# Altium PCB RTD_12POS_WPSv3.PcbDoc (part 4 of 4) (continued)
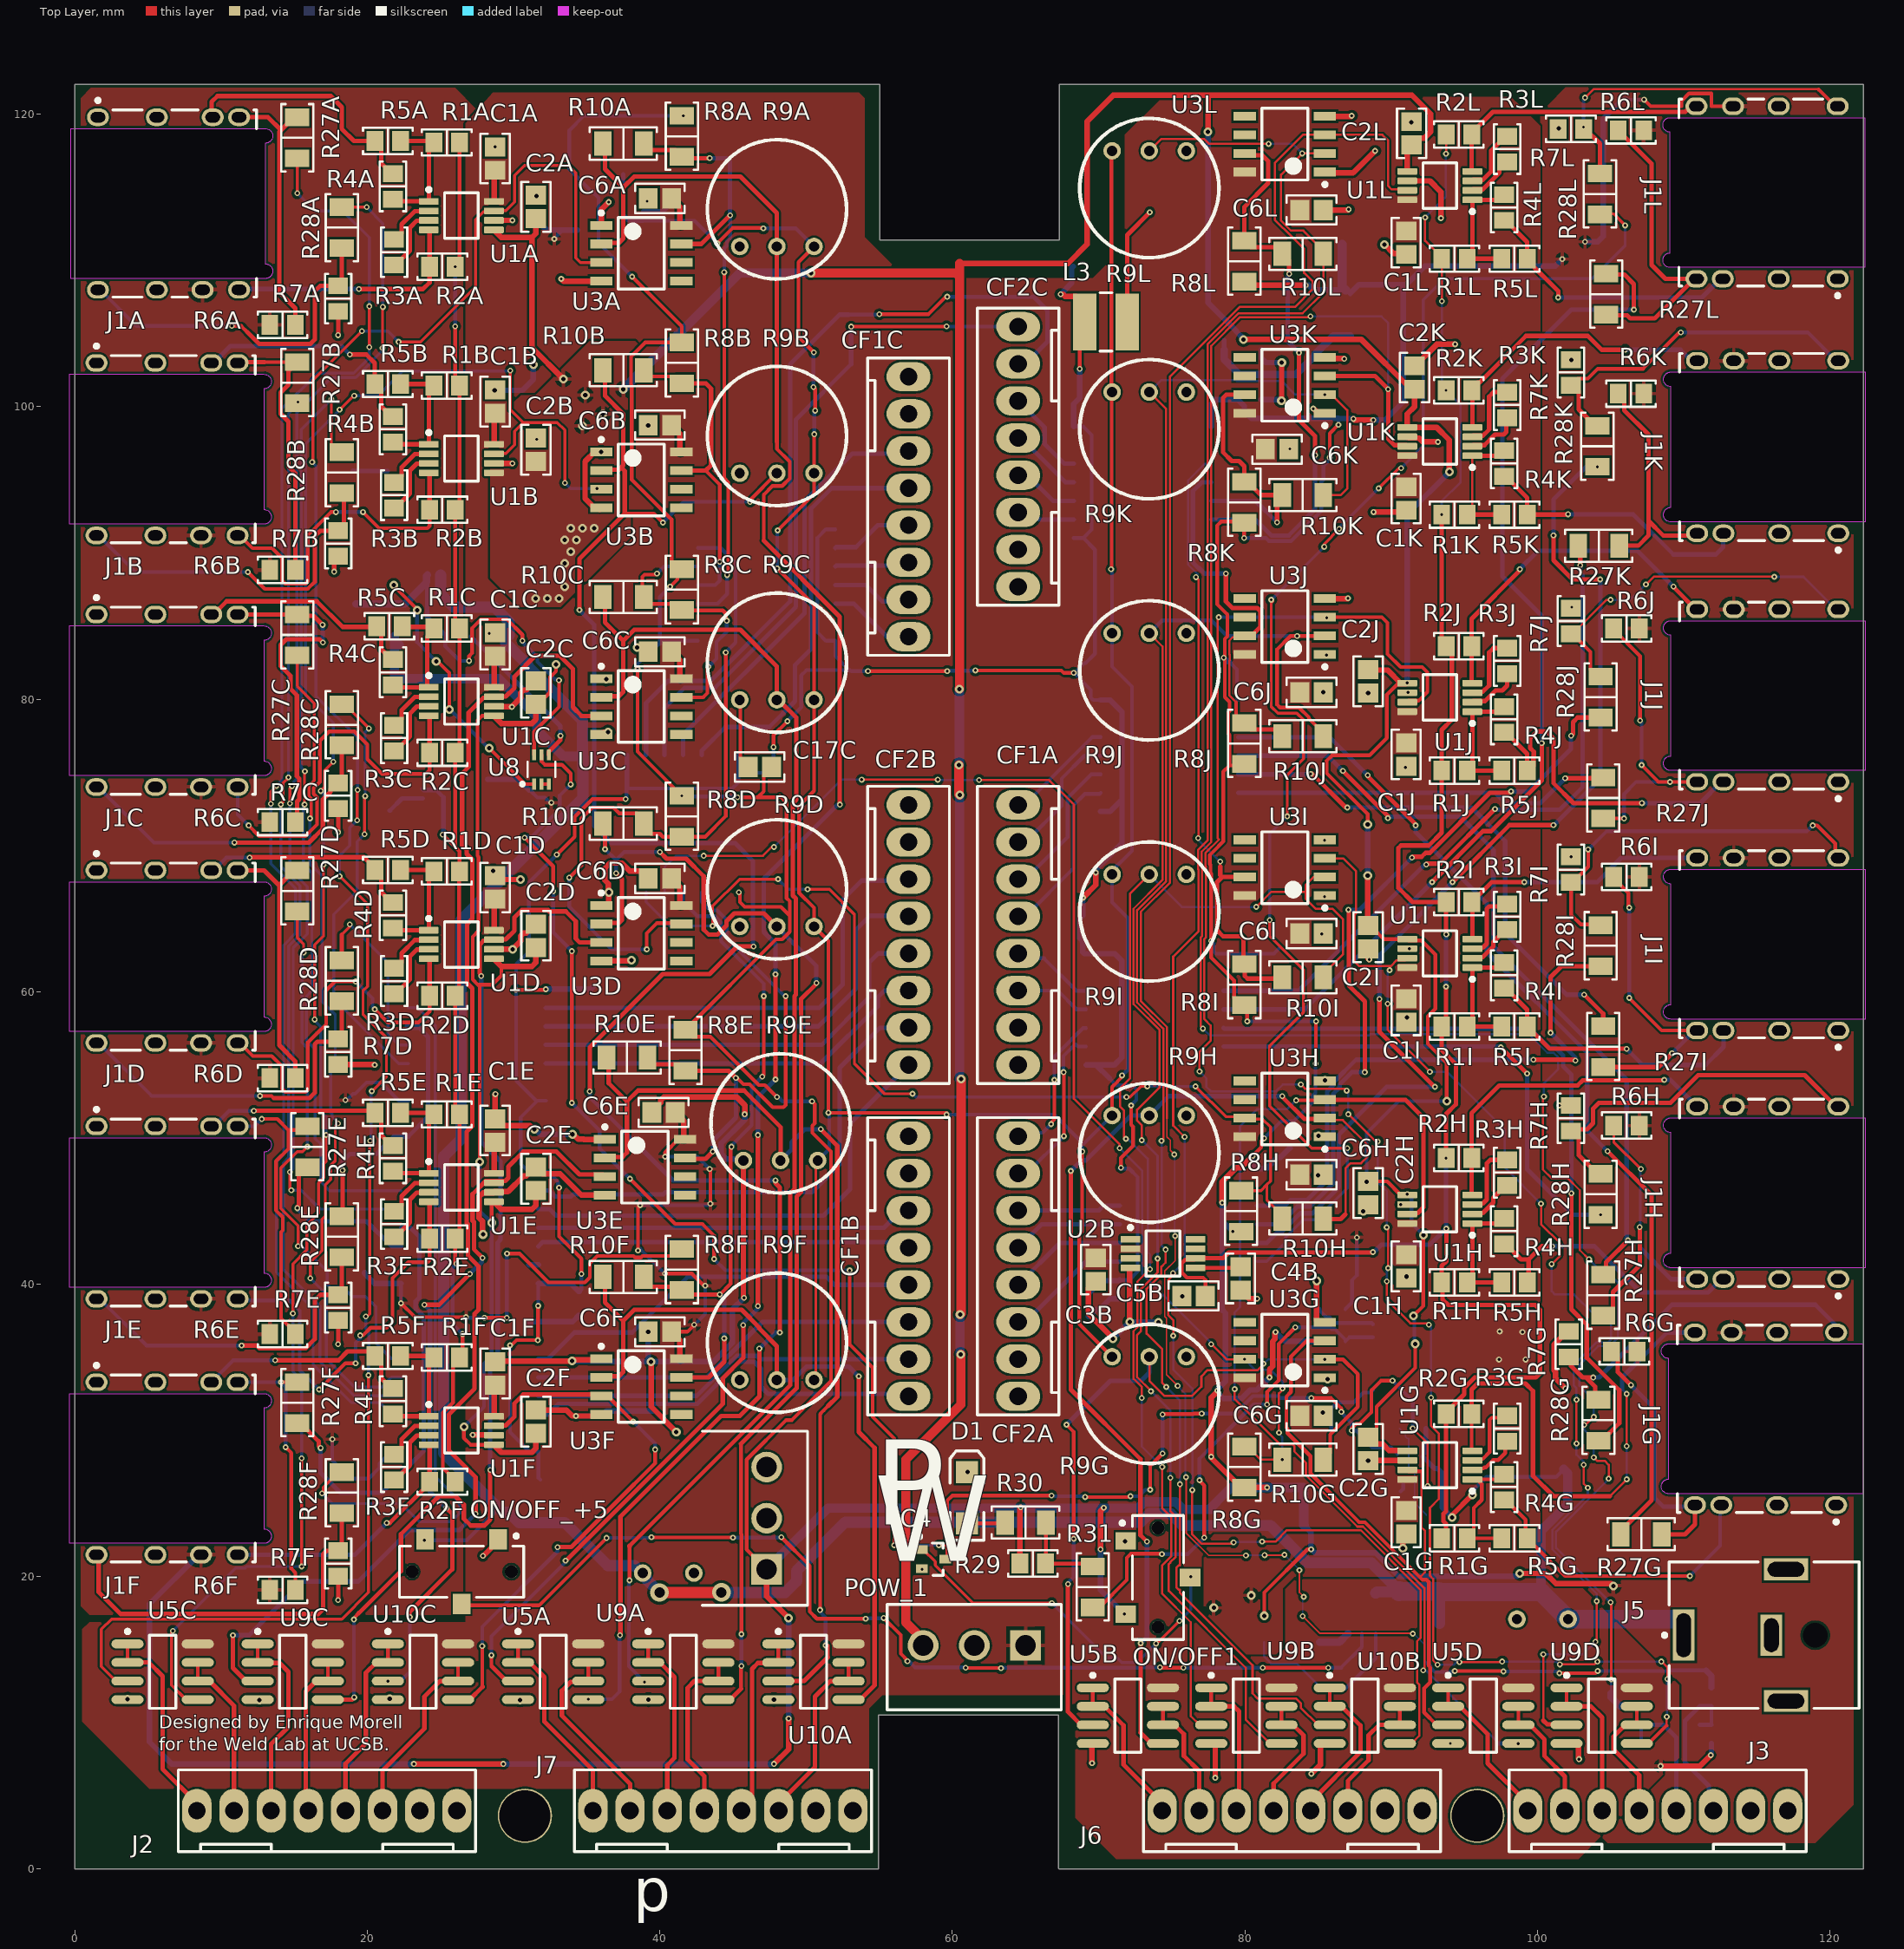
[diagram p0: Top Layer view]
## Nets (pads, with @x,y where several pads share a name; then routed paths per layer and width w, separated by ;. In a path a pad name is that pad's centre, name@x,y a point inside that pad or via, vN(x,y) a via of type N, cw(c..) or ccw(c..) an arc to the next point about the centre after c; other vN are vias at no path point) (continued)
  Bottom Layer w0.305: v1(23.9,38.6) 24.284,38.216 24.284,25.816 v1(25.4,24.7) ; v1(27,40.7) 27.821,41.521 27.821,41.747 v1(27.878,41.803)
Vrtd6: U1F.7 U3F.3 U10C.5 | length 37.9
  Top Layer w0.254: v1(27.85,15.25) 27.85,12.49 27.873,12.468 ; U3F.3@35.987,32.365 36.41,32.365 v1(38.177,30.598) ; 38.2,26.286 39.675,27.761 v1(39.675,28.7)
  Top Layer w0.305: U10C.5@26.2,11.595 27,11.595 27.873,12.468 ; U1F.7@28.65,30.325 28.669,30.344 29.464,30.344 30.06,30.94 30.06,31.86 30.657,32.456 U3F.3@35.987,32.456 ; v1(33,22.025) 33.939,22.025 38.2,26.286
  Bottom Layer w0.254: v1(27.85,15.25) 27.85,16.575 33,21.725 v1(33,22.025) ; v1(38.177,30.598) 39.675,29.1 v1(39.675,28.7)
Vrtd7: U1G.7 U3G.3 U5D.3 | length 42.4
  Top Layer w0.15: 92,19.934 92,20 92.3,20.3 92.3,23.149 92.075,23.374 92.075,27.2
  Top Layer w0.254: U3G.3@85.473,36.135 84.234,36.135 83.152,35.053 83.152,32.636 82.833,32.317 82.833,30.185 82.907,30.111 82.907,29.823 84.483,28.247 84.483,27.06 87.814,23.729 88.205,23.729 92,19.934 92.148,19.786 92.432,19.786 92.573,19.645 92.573,13.902 92.677,13.799 92.677,12.798 92.25,12.371 92.25,10.715 93.1,9.865 U5D.3@93.9,9.865 ; U1G.7@91.105,27.305 91.203,27.207 92.068,27.207 92.075,27.2
Vrtd8: U1H.7 U3H.3 U5D.5 | length 73.3
  Top Layer w0.15: v1(79.305,32.828) 79.305,32.135 82.391,29.05 83.253,29.05 83.385,28.918 83.385,28.565 84.173,27.777 84.173,26.943 87.689,23.427 88.073,23.427 92.271,19.229 92.271,13.671 v1(92.2,13.6)
  Top Layer w0.254: v1(83.5,52.575) 85.421,52.575 U3H.3@85.473,52.627
  Top Layer w0.305: U3H.3@85.473,52.627 85.5,52.6 91,52.6 92.2,51.4 92.2,45.25 91.826,44.877 91.178,44.877 U1H.7@91.105,44.804
  Bottom Layer w0.15: v1(79.305,32.828) 79.305,38.075 79.665,38.435 79.665,50.79 80.85,51.975 82.9,51.975 v1(83.5,52.575) ; v1(92.2,13.6) 92.358,13.6 97.363,8.595
  Bottom Layer w0.305: 97.363,8.595 v1(98.7,8.595)
Vrtd9: U1I.7 U3I.3 U9D.3 | length 82.2
  Top Layer w0.15: U3I.3@85.473,69.119 86.731,69.119 87.606,68.244 87.606,65.372 87.505,65.271 87.505,62.07 87.825,61.75 89.975,61.75 ; v1(89.756,59.179) 89.756,57.419 v1(92.65,54.525) ; v1(89.9,61.475) 89.929,61.504 89.929,61.704 89.975,61.75 ; U1I.7@91.105,62.303 90.955,62.153 90.378,62.153 89.975,61.75 ; v1(100.25,45.5) 100.25,44.105 101.575,42.78 101.575,41.975 v1(100.975,41.375) ; 100.4,10.175 v1(100.4,14.7) ; U9D.3@101.965,9.9 U9D.3@102,9.865 ; v1(102.675,29.1) 102.65,29.125 102.65,32.078 v1(102.675,32.103) ; v1(103.175,27.65) 103.175,26.35 v1(103.45,26.075) ; v1(103.975,15.55) 103.975,15.591 104.05,15.666 v1(104.05,18.325)
  Top Layer w0.305: 100.4,10.175 100.675,9.9 U9D.3@101.965,9.9
  Bottom Layer w0.15: v1(89.756,59.179) 89.756,61.331 v1(89.9,61.475) ; v1(92.65,54.525) 93.8,54.525 97.775,50.55 97.775,47.975 v1(100.25,45.5) ; v1(100.4,14.7) 103.125,14.7 v1(103.975,15.55) ; v1(100.975,41.375) 100.975,39.525 101.2,39.3 102.5,39.3 103.825,37.975 104.743,37.975 105.025,37.693 105.025,36.207 104.843,36.025 104.046,36.025 102.477,34.456 102.477,33.094 102.675,32.897 v1(102.675,32.103) ; v1(102.675,29.1) 102.675,28.343 103.175,27.843 v1(103.175,27.65) ; v1(103.45,26.075) 103.45,25.604 101.025,23.179 101.025,21.871 104.05,18.846 v1(104.05,18.325)
Vrtd10: U1J.7 U3J.3 U9D.5 | length 129.5
  Top Layer w0.15: v1(76.9,54.55) 76.9,55.9 77.655,56.655 77.655,57.697 77.225,58.127 77.225,63.605 77.325,63.705 77.325,68.573 77.296,68.602 77.296,69.484 78.225,70.413 78.125,70.513 78.125,85.525 v1(78.213,85.612) ; v1(83.823,53.662) 84.114,53.372 86.828,53.372 v1(86.964,53.236) ; v1(87.075,51.625) 88.938,49.762 v1(89.088,49.762) ; v1(89.696,43.891) 89.8,43.786 v1(89.8,41.1) ; v1(89.7,40.2) 89.7,38.933 91.308,37.325 92.475,37.325 v1(92.575,37.225) ; v1(92.725,32.25) 92.725,30.325 93.25,29.8 93.25,25.31 92.655,24.715 92.655,20.07 92.875,19.85 92.875,14.275 v1(93.175,13.975) ; v1(94.67,14.158) 97.558,14.158 v1(97.6,14.2) ; v1(101.531,14.002) 103.902,14.002 v1(104.1,14.2) ; v1(108.48,14.2) 108.9,13.78 v1(108.9,13) ; 108.825,9.82 108.825,10.4 v1(108.85,10.425)
  Top Layer w0.254: v1(85.6,85.575) 85.564,85.611 89.364,85.611 89.75,85.225 89.75,83.1 90.65,82.2 92.125,82.2 92.475,81.85 92.475,80.5 91.875,79.9 91.203,79.9 U1J.7@91.105,79.802 ; U9D.5@106.8,8.595 107.6,8.595 108.825,9.82
  Bottom Layer w0.15: v1(76.9,54.55) 77.365,54.085 77.365,53.498 77.673,53.19 82.128,53.19 82.6,53.662 v1(83.823,53.662) ; v1(86.964,53.236) 87.075,53.125 v1(87.075,51.625) ; v1(89.088,49.762) 89.088,46.979 89.696,46.372 v1(89.696,43.891) ; v1(89.7,40.2) 89.7,41 v1(89.8,41.1) ; v1(92.575,37.225) 92.725,37.075 v1(92.725,32.25) ; v1(93.175,13.975) 94.275,13.975 94.458,14.158 v1(94.67,14.158) ; v1(97.6,14.2) 101.279,14.2 101.477,14.002 v1(101.531,14.002) ; v1(104.1,14.2) v1(108.48,14.2) ; v1(108.85,10.425) 108.875,10.45 108.875,12.975 v1(108.9,13)
  Bottom Layer w0.254: v1(78.213,85.612) 85.563,85.612 v1(85.6,85.575)
Vrtd11: U1K.7 U3K.3 U10D.3 | length 155.4
  Top Layer w0.15: v1(77.13,57.479) 76.975,57.634 76.975,63.709 77.075,63.809 77.075,68.469 77.046,68.498 77.046,69.587 77.7,70.241 77.7,104.168 79.667,106.135 84.435,106.135 v1(84.481,106.182) ; v1(100.45,52.825) 100.375,52.75 100.375,47.85 100.975,47.25 102.075,47.25 102.9,46.425 102.9,42.335 v1(103.531,41.703) ; v1(103.2,30.375) 103.275,30.375 103.826,30.926 v1(103.859,30.926) ; v1(103.858,28.151) 104.084,27.925 104.6,27.925 104.875,27.65 v1(104.875,26.7) ; v1(105,18.25) 105.05,18.2 v1(105.05,12.975)
  Top Layer w0.305: U3K.3@85.473,102.103 88.897,102.103 v1(89.8,101.2) 89.8,97.8 90.226,97.374 91.032,97.374 U1K.7@91.105,97.301
  Bottom Layer w0.15: v1(77.13,57.479) 77.609,57 88.486,57 88.587,57.101 99.401,57.101 100.677,55.825 101.117,55.825 101.425,55.517 101.425,54.72 100.45,53.745 v1(100.45,52.825) ; v1(84.481,106.182) 89.343,106.182 89.8,105.725 v1(89.8,101.2) ; v1(103.2,30.375) 103.2,30.05 103.858,29.392 v1(103.858,28.151) ; v1(103.531,41.703) 104.192,41.043 104.575,41.043 105.5,40.118 105.5,36.328 104.947,35.775 104.15,35.775 102.875,34.5 102.875,33.05 103.859,32.066 v1(103.859,30.926) ; v1(104.875,26.7) 104.875,26.675 101.275,23.075 101.275,21.975 v1(105,18.25) ; 105.05,12.025 v1(105.05,12.975)
  Bottom Layer w0.508: 105.05,12.025 105.05,11.75 105.647,11.153 107.082,11.153 U10D.3@107.1,11.135
Vrtd12: U1L.7 U3L.3 U10D.5 | length 160.4
  Top Layer w0.105: 74.668,51.357 74.668,50.08 74.9,49.849 74.9,49.15 v1(75.175,48.875) ; v1(75.225,43.3) 75.225,41.609 74.52,40.904 74.52,37.799 74.635,37.684 74.635,33.815 v1(75.4,33.05) ; v1(75.98,26.809) 75.98,22.997 77.527,21.45 v1(80.075,21.45) ; v1(81.35,21.475) 82.675,21.475 v1(82.7,21.5) ; v1(83.725,20.454) 83.725,18.925 v1(84.025,18.625) ; v1(83.95,17.3) 85.125,16.125 91.315,16.125 91.338,16.102 v1(91.481,16.102)
  Top Layer w0.15: 74.668,51.357 74.668,57.587 72.885,59.37 72.885,65.466 74.862,67.443 74.862,102.037 79.648,106.823 83.42,106.823 84.626,108.029 84.626,108.588 84.05,109.164 84.05,110.787 83.216,111.621 83.215,111.621 82.046,112.789 82.046,116.671 83.97,118.595 U3L.3@85.473,118.595 89.405,118.595 89.8,118.2 89.8,115.1 90.027,114.873 91.032,114.873 U1L.7@91.105,114.8
  Top Layer w0.254: v1(94.35,13.55) 94.352,13.548 97.64,13.548 97.663,13.525 v1(97.675,13.525) ; v1(101.5,13.4) 103.975,13.4 v1(104.125,13.55)
  Bottom Layer w0.105: v1(75.175,48.875) 75.2,48.85 75.2,43.325 v1(75.225,43.3) ; v1(75.4,33.05) 75.925,32.525 75.925,26.865 v1(75.98,26.809) ; v1(80.075,21.45) 80.088,21.462 81.338,21.462 v1(81.35,21.475) ; v1(82.7,21.5) 83.725,20.475 v1(83.725,20.454) ; v1(83.95,17.3) 83.95,18.497 84.025,18.572 v1(84.025,18.625) ; v1(91.481,16.102) 91.548,16.102 92.291,15.359 92.291,14.27 92.483,14.079
  Bottom Layer w0.254: 92.483,14.079 92.698,13.864 92.698,13.777 92.977,13.498 94.298,13.498 v1(94.35,13.55) ; v1(97.675,13.525) 101.375,13.525 v1(101.5,13.4) ; v1(104.125,13.55) 108.99,13.55 108.992,13.548 109.044,13.6 111.525,13.6
  Bottom Layer w0.4: 111.525,13.6 111.9,13.225 U10D.5@111.9,12.405
Vthr1: R9A.2 R10A.1 U3A.2 U5A.3 | length 136.5
  Top Layer w0.254: v1(28.475,14.625) 28.475,13.89 28.5,13.865 ; 47.098,90.85 47.098,93.986 47.694,94.583 48.363,94.583 48.877,95.097 48.877,96.248 48,97.125 48,97.595
  Top Layer w0.305: 28.5,13.865 29.5,12.865 U5A.3@30.3,12.865 ; v1(33.55,21.1) 33.586,21.1 44.3,31.814 44.3,33.576 45.7,34.976 v1(45.7,37.2) ; U3A.2@35.987,111.135 36.055,111.204 37.204,111.204 37.5,111.5 37.5,115 ; R10A.1@36.1,118 36.25,117.85 36.25,116.25 37.5,115 ; v1(46.7,38.5) v1(46.7,50.2) ; 47.098,90.85 52.3,85.648 v1(52.3,72.8) ; v1(47.9,54) v1(47.9,61.2) ; 48,97.595 R9A.2@48,110.96 48,113.25 45.5,115.75 38.25,115.75 37.5,115
  Bottom Layer w0.254: v1(28.475,14.625) 28.475,15.918 33.55,20.993 v1(33.55,21.1)
  Bottom Layer w0.305: v1(45.7,37.2) 45.7,37.349 46.7,38.35 v1(46.7,38.5) ; v1(46.7,50.2) 46.7,52.8 v1(47.9,54) ; v1(47.9,61.2) 47.9,63.284 47.098,64.086 47.098,67.732 52.165,72.8 v1(52.3,72.8)
Vthr2: R9B.2 R10B.1 U3B.2 U5A.5 | length 141.1
  Top Layer w0.254: 37.6,92.7 39.584,92.7 v1(40.203,92.081) ; v1(46.175,93.5) 46.175,93.635 R9B.2@48,95.46
  Top Layer w0.305: v1(34.5,86.1) 34.5,89.6 37.6,92.7 37.6,95.604 37.352,95.852 ; U5A.5@35.1,11.595 U5A.5@35.9,11.595 ; v1(35.2,53.187) 35.2,56.203 40.2,61.202 43.402,61.202 45.3,63.1 v1(46.4,63.1) ; U3B.2@35.987,95.635 36.055,95.704 37.204,95.704 37.352,95.852 ; R10B.1@36.1,102.5 36.25,102.35 36.25,100.75 37.5,99.5 37.5,96 37.352,95.852 ; v1(37.278,16.002) 37.302,16.026 37.302,24.102 44.2,31 45.475,31 46.8,32.325 v1(46.8,35.6) ; v1(47.9,47.1) 47.9,46.912 48.2,46.612 v1(48.2,36.7)
  Bottom Layer w0.254: v1(35.1,11.625) 36.725,11.625 37.25,12.15 37.25,15.923 v1@37.302,15.975 ; v1(40.203,92.081) 41.623,93.5 v1(46.175,93.5)
  Bottom Layer w0.305: v1(34.5,86.1) 35.5,85.1 35.5,71.352 36.691,70.161 45.139,70.161 46.362,68.938 46.362,63.138 v1(46.4,63.1) ; v1(35.2,53.187) 35.2,52.8 40.9,47.1 v1(47.9,47.1) ; v1(46.8,35.6) 47.9,36.7 v1(48.2,36.7)
Vthr3: R9C.2 R10C.1 U3C.2 U9A.3 | length 96.3
  Top Layer w0.254: v1(37.925,19.75) 37.925,22.068 ; v1(38.95,12.8) 39.015,12.865 U9A.3@39.2,12.865
  Top Layer w0.305: U3C.2@35.987,80.135 36.055,80.204 37.204,80.204 37.5,80.5 37.5,84 ; R10C.1@36.1,87 36.25,86.85 36.25,85.25 37.5,84 ; 37.925,22.068 37.925,22.109 48.902,33.086 48.902,46.192 49.202,46.492 49.202,59.691 49.306,59.795 49.306,66.37 49.094,66.583 49.094,72.902 49.327,73.136 49.327,78.75 48.117,79.96 R9C.2@48,79.96 48,82.25 45.5,84.75 38.25,84.75 37.5,84
  Bottom Layer w0.254: v1(37.925,19.75) 37.875,19.7 37.875,13.875 v1(38.95,12.8)
Vthr4: R9D.2 R10D.1 U3D.2 U9A.5 | length 82.9
  Top Layer w0.254: 45.544,12.339 45.544,13.869 v1(45.575,13.9) ; 45.544,29.084 45.544,22.947 45.577,22.914 45.577,16.077 v1(45.575,16.075)
  Top Layer w0.305: U3D.2@35.987,64.635 36.055,64.704 37.204,64.704 37.4,64.9 37.4,67.7 v1(37,68.1) ; R10D.1@36.1,71.5 36.25,71.35 v1(36.25,69.75) ; v1(40,69.559) 40.459,69.1 41.8,69.1 42.997,67.903 42.997,64.25 43.35,63.897 43.932,63.897 44.558,64.523 44.558,64.834 45.086,65.362 47.098,65.362 R9D.2@48,64.46 ; U9A.5@44,11.595 44.8,11.595 45.544,12.339 ; 45.544,29.084 49.357,32.898 49.357,46.004 49.657,46.304 49.657,59.502 50.7,60.545 v1(50.7,60.6)
  Bottom Layer w0.254: v1(36.25,69.75) 37,69 ; v1@37.1,68.1 v1(37,68.1) 37,69 ; v1(40,69.559) 37.559,69.559 37,69 ; v1(45.575,13.9) v1(45.575,16.075)
  Bottom Layer w0.305: R9D.2@48,64.46 50.7,61.76 v1(50.7,60.6)
Vthr5: R9E.2 R10E.1 U3E.2 U10A.3 | length 68.2
  Top Layer w0.254: v1(50.954,17.727) 50.954,31.124 51.175,31.346 51.498,31.668 ; v1(51.329,15.302) 51.473,15.302 51.498,15.277 51.498,14.498
  Top Layer w0.305: U3E.2@36.237,48.635 36.305,48.704 37.454,48.704 37.75,49 37.75,52.5 ; R10E.1@36.35,55.5 36.5,55.35 36.5,53.75 37.75,52.5 ; U10A.3@48.1,12.865 49.865,12.865 51.498,14.498 ; R9E.2@48.25,48.46 48.25,50.75 45.75,53.25 38.5,53.25 37.75,52.5 ; v1(51,50.6) 52.129,49.471 52.129,32.3 51.498,31.668
  Bottom Layer w0.254: v1(50.954,17.727) 50.954,17.577 51.329,17.202 v1(51.329,15.302)
  Bottom Layer w0.305: R9E.2@48.25,48.46 48.998,49.208 48.998,49.698 49.9,50.6 v1(51,50.6)
Vthr6: R9F.2 R10F.1 U3F.2 U10A.5 | length 52.9
  Top Layer w0.305: U3F.2@35.987,33.635 36.055,33.704 37.204,33.704 37.5,34 37.5,37.5 ; R10F.1@36.1,40.5 36.25,40.35 36.25,38.75 37.5,37.5 ; R9F.2@48,33.46 48,35.765 46.792,36.973 46.792,37.042 45.585,38.25 38.25,38.25 37.5,37.5 ; U10A.5@52.9,11.595 53.7,11.595 54.681,12.576 54.681,28.807 53.6,29.889 v1(53.6,33.7)
  Bottom Layer w0.305: R9F.2@48,33.46 49.127,33.46 50.029,34.362 52.909,34.362 53.571,33.7 v1(53.6,33.7)
Vthr7: R9G.2 R10G.1 U3G.2 U5B.3 | length 55.3
  Top Layer w0.15: R9G.2@73.46,35.04 73.472,35.028 73.472,33.387 74.484,32.375 76.4,32.375 77.025,33 77.025,33.699 77.449,34.123 80.873,34.123 81.125,34.375 81.125,34.423 v1(81.265,34.563)
  Top Layer w0.254: v1(67.8,30.4) 68.3,29.9 v1(68.3,22.6) ; R10G.1@85.36,28 85.833,28.473 85.833,29.731 87.725,31.623 87.725,33.853 86.713,34.865 v1(85.473,34.865)
  Top Layer w0.305: v1(67.9,19.5) 67.9,10.765 68.8,9.865 U5B.3@69.6,9.865
  Bottom Layer w0.15: v1(81.265,34.563) 81.306,34.563 81.608,34.865 v1(85.473,34.865)
  Bottom Layer w0.254: v1(67.9,19.5) 67.9,19.594 68.3,19.994 v1(68.3,22.6)
  Bottom Layer w0.305: v1(67.8,30.4) 70.8,33.4 72.9,33.4 73.46,33.96 R9G.2@73.46,35.04
Vthr8: R9H.2 R10H.1 U3H.2 U5B.5 | length 73.9
  Top Layer w0.15: R10H.1@85.36,44.492 R10H.1@85.402,44.45 ; U3H.2@85.473,51.357 85.605,51.225 86.7,51.225 88.4,49.525 88.4,48.734 87.941,48.275 87.225,48.275 86.875,47.925 86.875,44.775
  Top Layer w0.305: v1(68.102,47.748) 68.102,32.798 72.86,28.04 72.86,22.848 v1(73.302,22.406) ; v1(72.875,15.45) 72.875,9.351 72.86,9.335 73.6,8.595 U5B.5@74.4,8.595 ; v1(82.563,52.863) 82.563,52.802 84.065,51.3 85.416,51.3 U3H.2@85.473,51.357 ; R10H.1@85.402,44.45 86.55,44.45 86.875,44.775
  Bottom Layer w0.305: v1(68.102,47.748) 68.827,48.473 69.137,48.473 72.196,51.532 R9H.2@73.46,51.532 74.791,52.863 v1(82.563,52.863) ; v1(72.875,15.45) 73.302,15.877 v1(73.302,22.406)
Vthr9: R9I.2 R10I.1 U3I.2 U9B.3 | length 85.8
  Top Layer w0.15: v1(71.866,49.938) 71.745,50.059 71.745,51.874 71.475,52.144 71.475,53.408 72.135,54.068 72.135,66.699 R9I.2@73.46,68.024 ; v1(72.95,32.225) 72.95,32.975 72.385,33.54 72.385,36.788 72.65,37.053 72.65,40.173 v1(73.505,41.028) ; v1(74.35,27.5) 74.35,24.685 74.975,24.06 74.975,21.412 74.345,20.782 74.345,18.842 76.3,16.887 76.3,10.465 76.9,9.865 U9B.3@77.7,9.865 ; v1(80.78,65.805) 81.813,66.837 84.15,66.837 ; R10I.1@85.36,61.209 86.721,62.57 86.721,64.95 86.008,65.663 84.862,65.663 84.15,66.375 84.15,66.837 ; U3I.2@85.473,67.849 84.699,67.849 84.15,67.3 84.15,66.837
  Top Layer w0.254: R10I.1@85.36,60.984 R10I.1@85.36,61.209
  Bottom Layer w0.15: v1(71.866,49.938) 71.99,49.938 73.35,48.579 73.35,42.195 73.505,42.04 v1(73.505,41.028) ; v1(72.95,32.225) 72.95,28.9 v1(74.35,27.5) ; R9I.2@73.46,68.024 75.679,65.805 v1(80.78,65.805)
Vthr10: R9J.2 R10J.1 U3J.2 U9B.5 | length 108.2
  Top Layer w0.15: v1(72.955,49.854) 72.955,50.87 72.635,51.19 72.635,51.935 74.168,53.468 74.168,57.379 72.385,59.163 72.385,65.673 74.362,67.65 74.362,83.614 R9J.2@73.46,84.516 ; v1(73.58,32.678) 73.58,32.699 72.635,33.644 72.635,36.53 72.9,36.795 72.9,39.681 74.03,40.811 74.03,41.706 v1@73.986,41.75 ; v1(74.901,26.758) 74.901,24.488 75.275,24.114 75.275,21.358 74.901,20.984 74.901,20.959 74.8,20.858 74.8,19.03 80.055,13.776 80.055,10.24 81.7,8.595 U9B.5@82.5,8.595 ; R10J.1@84.912,76.803 85.36,77.251 R10J.1@85.36,77.476
  Top Layer w0.254: R10J.1@85.36,77.476 85.36,77.701 84.379,78.682 84.379,78.757 83.707,79.429 82.407,79.429 82.209,79.628 82.209,83.418 83.116,84.325 v1(83.575,84.325) 85.457,84.325 U3J.2@85.473,84.341
  Bottom Layer w0.15: v1(72.955,49.854) 74.03,48.779 v1(74.03,41.753) ; v1(73.58,32.678) 74.919,31.339 v1@74.919,26.646
  Bottom Layer w0.254: R9J.2@73.46,84.516 74.337,85.393 77.707,85.393 78.775,84.325 v1(83.575,84.325)
Vthr11: R9K.2 R10K.1 U3K.2 U10B.3 | length 123.3
  Top Layer w0.15: R9K.2@73.46,101.008 74.612,99.856 74.612,67.547 72.635,65.569 72.635,59.266 74.418,57.483 74.418,49.918 v1(74.3,49.8) ; v1(74.577,42.371) 74.577,41.484 74.293,41.199 74.293,40.7 73.278,39.685 73.278,36.622 74.35,35.55 74.35,33.25 v1(74.625,32.975) ; v1(75.555,26.328) 75.555,20.769 75.464,20.769 75.332,20.637 75.332,19.251 75.464,19.119 75.555,19.119 75.555,18.918 80.525,13.949 80.525,12.025 80.89,11.66 83.517,11.66 83.825,11.352 83.825,11.04 85,9.865 U10B.3@85.8,9.865 ; R10K.1@85.36,93.968 86.568,93.968 87,94.4 87,99.766 85.933,100.833 v1(85.473,100.833)
  Bottom Layer w0.15: R9K.2@73.46,101.008 74.285,101.833 79.39,101.833 79.452,101.771 82.504,101.771 83.442,100.833 v1(85.473,100.833) ; v1(74.3,49.8) 74.3,42.648 v1(74.577,42.371) ; v1(74.625,32.975) 75.555,32.045 v1(75.555,26.328)
Vthr12: R9L.2 R10L.1 U3L.2 U10B.5 | length 147.5
  Top Layer w0.15: R9L.2@73.46,117.5 74.285,118.325 77.208,118.325 77.558,117.975 v1(81.625,117.975) ; v1(75.1,36.475) 75.1,37.541 74.748,37.893 74.748,40.261 v1@75.231,40.744 ; v1(75.875,50.075) 75.098,50.852 75.098,62.399 76.825,64.126 76.825,68.366 76.796,68.395 76.796,69.691 77.45,70.345 77.45,104.271 79.572,106.394 83.951,106.394 85.36,107.803 R10L.1@85.36,110.46 85.36,110.685 83.995,112.05 83.15,112.05 82.475,112.725 82.475,115.875 v1(83.925,117.325) U3L.2@85.473,117.325 ; v1(76.4,25.925) 76.4,22.899 77.049,22.25 79.125,22.25 v1(79.225,22.35) ; v1(81.175,22.4) 82.098,22.4 82.875,23.177 87.923,23.177 92.021,19.079 92.021,15.829 91.775,15.582 91.775,12.773 91.925,12.622 91.925,9.12 91.4,8.595 U10B.5@90.6,8.595
  Bottom Layer w0.15: v1(75.08,40.753) 75.875,41.548 v1(75.875,50.075) ; v1(75.1,36.475) 75.1,34.175 76.405,32.87 76.405,25.93 v1(76.4,25.925) ; v1(79.225,22.35) 79.25,22.375 81.15,22.375 v1(81.175,22.4) ; v1(81.625,117.975) 83.275,117.975 v1(83.925,117.325)
pads on no net: A1.14 IC1A.7 IC1B.7 IC1C.7 IC2A.7 IC2B.7 IC2C.7 IC3A.7 IC3B.7 IC3C.7 J5.5 ON/OFF1.MH1 ON/OFF1.MH2 ON/OFF_+5.MH1 ON/OFF_+5.MH2

## Polygon pours and split planes (outlines as drawn)
GND on Bottom Layer "GND_L02_P105" (solid, pour order 105): 1.402,122.04 119.01,122.04 121.8,119.25 121.7,119.15 121.7,2.75 120.2,1.25 2.6,1.25 1.104,2.746
NetC37_2 on Bottom Layer "Bottom Layer-NetC37_2" (solid, pour order 11): 83.38,20.475 88.275,20.475 88.8,19.95 88.8,18.9 88.175,18.275 87.5,18.275 87.5,19.392 86.656,19.392 84.137,14.763 82.825,14.763 82.613,15.029 82.613,21.245
DGND_Out on Bottom Layer "Bottom Layer-DGND_Out" (solid, pour order 95): 74.5,109.8 74.5,104.3 70.175,99.795 70.175,82.825 72.3,80.7 72.3,49.4 73.9,47.8 73.8,47.7 73.8,30.6 72.475,29.275 63.225,29.275 62.325,30.175 62.325,31.6 54.4,31.6 51.6,34.4 51.6,109.8
GND on Bottom Layer "Bottom Layer-GND 4" (solid, pour order 101): 95.525,39.61 95.525,38.5 95.475,38.45 95.475,33.725 96.375,32.825 96.9,32.825 97.45,32.275 97.45,29.425 98.125,28.75 102.45,28.75 102.875,29.175 102.875,33.75 102.25,34.375 96.975,34.375 96.4,34.95 96.4,37.85 97.3,38.75 97.3,40.759 97.084,40.975 95.862,40.975 95.525,40.638
GND on Bottom Layer "Bottom Layer-GND 1" (solid, pour order 57): 97.8,29.5 98.109,29.191 99.509,29.191 99.8,28.9 99.8,27.6 99.2,27 97.5,27 97.3,26.8 97.3,24.025 97.825,23.5 101.7,23.5 103.4,25.2 103.4,31.4 103.4,32.8 102.1,34.1 97.8,34.1 97.1,33.4 97.1,29.8 97.4,29.5
GND on Bottom Layer "Bottom Layer-AGND" (solid, pour order 17): 84.8,35.3 87.5,35.3 87.5,40.3 91.227,40.3 92.3,39.15 92.3,31.8 91.6,31.1 90.455,31.1 90.125,30.77 90.125,29.55 89.775,29.2 88.3,29.2 87.1,30.4 87.1,31.5 86.8,31.8 85.3,31.8 84.5,32.6 84.5,35
GND on Bottom Layer "Bottom Layer-GND 5" (solid, pour order 7): 35.875,78.475 37.78,76.57 37.78,74.57 39,73.35 45.25,73.35 45.25,74.475 44.525,75.2 43.725,75.2 43.725,77.9 44.275,78.45 44.317,78.408 47.345,78.408 47.345,78.62 48.975,80.25 48.949,80.276 48.949,82.452 37.802,82.452 35.9,80.55 35.9,79.325
GND on Bottom Layer "Bottom Layer-AGND 1" (solid, pour order 93): 87.2,42.4 86.9,42.1 86.9,38.7 88,37.6 89.9,37.6 90.2,37.9 90.2,40.4 91,41.2 91.6,41.2 91.9,40.9 92.6,40.9 93.1,41.4 93.1,42.4
GND on Bottom Layer "Bottom Layer-GND 3" (solid, pour order 9): 47.725,102 51.75,106.025 55.475,106.025 58.75,109.3 58.75,110.9 53.375,110.9 52.85,110.375 48.7,110.375 46.575,108.25 46.575,102
DGND_Out on Bottom Layer "Bottom Layer-DGND_Out 1" (solid, pour order 99): 31.3,63 29.975,61.675 29.975,26.725 30.5,26.2 39.7,26.2 39.7,30.7 44.5,35.5 60.6,35.5 60.7,35.4 61.7,36.4 61.7,75.3 59.275,77.725 38.035,77.725 35.4,75.09 35.4,69.8 36.5,68.7 47.6,68.7 52.9,63.4 52.9,59.264 51.436,57.8 39.9,57.8 38.5,59.2 38.5,61.3 36.8,63
GND on Bottom Layer "Bottom Layer-GND" (solid, pour order 87): 95.7,42.8 98.4,42.8 100.5,42.8 101,42.3 101,39.3 101.6,38.7 103.2,38.7 103.6,39.1 103.6,42.1 100.8,44.9 96.1,44.9 95.7,44.5
NetC37_2 on Bottom Layer "NETC37_2_L02_P023" (solid, pour order 23): 88.7,18.3 89.6,19.2 89.6,21.4 89.1,21.9 87.8,21.9 87.277,21.377 87.277,18.723 87.7,18.3
NetC37_2 on Bottom Layer "NETC37_2_L02_P021" (solid, pour order 21): 77,22 83.95,22 83.95,15.1 77,15.1
NetU4_6 on Bottom Layer "Bottom Layer-NetU4_6" (solid, pour order 103): 93.725,39.61 95.525,39.61 95.525,33.675 96.21,32.99 97.095,32.99 97.095,32.63 97.45,32.275 97.45,29.425 93.875,29.425 93.725,29.575 93.725,32.825 92.85,33.7 92.85,38.3 93.6,38.3 93.725,38.425
GND on Bottom Layer "Bottom Layer-AGND 2" (solid, pour order 91): 91.9,38.5 92.1,38.3 93.6,38.3 93.8,38.5 97.25,38.5 97.25,41.038 95.675,42.4 91.9,42.4
-12 on Bottom Layer "Bottom Layer--12" (solid, pour order 49): 31.7,92.5 31.8,92.6 33.6,92.6 35.7,94.7 39.4,94.7 40.4,95.7 42.4,95.7 43.5,94.6 43.5,92.5 42.6,91.6 38.3,91.6 36.7,90 36.7,88.7 34.4,86.4 34.4,82.725 33.475,81.8 32,81.8 30.4,83.4 30.4,86.3 29.9,86.8 29.9,91.8 30.6,92.5
-12 on Bottom Layer "Bottom Layer--12A 1" (solid, pour order 25): 27.075,100.025 27.7,99.4 27.7,97.3 28.738,96.262 29.924,96.262 29.924,96.324 30.2,96.6 30.2,98.5 30.6,98.9 31.2,98.9 31.2,100.7 30,101.9 27.075,101.9
GND on Bottom Layer "Bottom Layer-GND 2" (solid, pour order 45): 29.775,92.5 33.2,92.5 35.6,94.9 39.5,94.9 42.4,97.8 42.4,100.8 41.8,101.4 39.9,101.4 38.6,100.1 38.6,98.7 37.4,97.5 34.6,97.5 29.775,97.5
-12 on Bottom Layer "Bottom Layer--12 1" (solid, pour order 31): 32.1,101.4 31.5,100.8 31.5,98.8 32,98.3 33.8,98.3 34.6,97.5 37.1,97.5 38.4,98.8 38.4,101.4 37.5,102.3 32.9,102.3
-12 on Bottom Layer "Bottom Layer--12A" (solid, pour order 53): 20.7,93.9 20.7,101.9 28,101.9 28,92.2 25,89.2 22.9,89.2 22.6,88.9 22.6,86.4 22.2,86 20.3,86 19.9,86.4 19.9,87.3 19.6,87.6 18.3,87.6 18.1,87.8 18.1,89.4 19,90.3 19,93.9
-12 on Bottom Layer "Bottom Layer--12 2" (solid, pour order 2): 27.785,98.856 27.785,91.952 29.163,90.575 30.015,90.575 30.015,86.685 31,85.7 33.3,85.7 34.822,87.222 34.822,91.978 34.2,92.6 29.525,92.6 29.468,92.657 29.468,96.718 29.95,96.718 29.95,98.844
+12 on Bottom Layer "Bottom Layer-+12" (solid, pour order 55): 97.3,39.5 97.3,38.1 96.4,37.2 96.4,34.3 96.775,33.925 99.025,33.925 99.2,34.1 102.1,34.1 104.325,36.325 104.325,37.475 102.5,39.3 101.2,39.3 100.4,40.1 100.4,41.9 100,42.3 98.1,42.3 97.3,41.5
NetU7_6 on Bottom Layer "Bottom Layer-NetU7_6" (solid, pour order 47): 25.5,88.3 26.6,87.2 29.7,87.2 30.015,87.515 30.015,90.035 28.2,91.85 28.2,97.9 25.5,97.9 25.5,96
+5 on Top Layer "Top Layer-+5" (solid, pour order 37): 121,121.9 121.6,121.3 121.6,4.4 119,1.8 104.8,1.8 100.2,6.4 100.2,120.1 102,121.9
+5 on Top Layer "Top Layer-+5 1" (solid, pour order 61): 0.4,18 1,17.4 27.3,17.4 28.9,19 28.9,118.9 26,121.8 1.1,121.8 0.4,121.1
+12 on Top Layer "Top Layer-+12" (solid, pour order 35): 26.7,119.367 28.582,121.5 53.6,121.5 54,121.1 54,111.6 56.8,108.8 69.6,108.8 71.8,111 71.8,118.6 74.4,121.2 98.2,121.2 100.2,119.2 100.2,22.1 109.7,12.6 109.7,7.6 102.8,0.7 71.2,0.7 68.2,3.7 68.2,10.2 66.8,11.6 32.153,11.6 26.7,15.975
NetC37_2 on Top Layer "NETC37_2_L01_P015" (solid, pour order 15): 77.2,22.2 77.2,15.3 77.8,14.7 82.137,14.7 82.6,15.163 82.6,19.2 83.4,20 90.2,20 90.7,20.5 90.7,22 89.8,22.9 77.9,22.9
-12 on Top Layer "Top Layer--12" (solid, pour order 6): 31.5,100.8 35.2,104.5 38.3,104.5 39.1,103.7 39.1,99.5 38,98.4 38,91.1 33.2,86.3 30.4,86.3 28.4,88.3 28.4,98.7 30.5,100.8
+12 on Top Layer "Top Layer-+12 1" (solid, pour order 33): 0.5,10.1 5.1,5.5 59.9,5.5 66.1,11.7 66.1,16.3 65.5,16.9 1,16.9 0.5,16.4

## Other copper
Top Layer:
  region net Vthr12: 75.098,51.906
  pour cut-out: 54.2,-0.5 54.3,-0.4 54.3,11 55.2,11.9 67.5,11.9 68.4,11 68.4,-1.3 68,-1.7 53.8,-1.7 53.3,-1.2 53.4,-1.1 53.4,-0.4
Bottom Layer:
  region: 78.5,25.55
  pour cut-out: 68.4,-1.3 68.4,10.4 67.4,11.4 55,11.4 54.2,10.6 54.2,-1.7 68,-1.7
  pour cut-out: 54.75,124 54.75,111.45 54.875,111.325 67.4,111.325 67.85,111.775 67.85,124

## Silkscreen, mask and mechanical layers (free items; w line width, h text height)
Top Overlay:
  lines w0.2: 42.9,18.05 50.1,18.05 50.1,29.95 42.9,29.95
  text "P" at 54.675,21.65 h10
  text "W" at 54.675,19.15 h10
  text "Designed by Enrique Morell / for the Weld Lab at UCSB." at 5.744,7.8 h1.52
  text "p" at 38.2,-3.85 h5
Bottom Overlay:
  lines w0.15: 68.8,36.9 68.3,36.9 68.3,40.3 68.8,40.3 ; 69.8,36.9 70.3,36.9 70.3,37.225
  text "© Enrique Morell / All rights reserved, 2020" at 28.45,8.1 h1.52
Border:
  lines w0.254: 0,122.04 0,0 54.95,0 54.95,10.55 67.25,10.55 67.25,0.05 67.3,0 122.3,0 122.3,122.04
Mechanical 13:
  lines w0.1: 42.9,18.05 42.9,29.95 50.1,29.95 50.1,18.05 42.9,18.05 ; 68.6,37.5 70,37.5 70,39.7 68.6,39.7 68.6,37.5
Mechanical 15:
  lines w0.05: 46,24 47,24 ; 46.5,23.5 46.5,24.5 ; 42.7,17.85 42.7,30.15 50.3,30.15 50.3,17.85 42.7,17.85 ; 68.35,36.9 70.25,36.9 70.25,40.3 68.35,40.3 68.35,36.9
  lines w0.1: 68.8,38.6 69.8,38.6 ; 69.3,38.1 69.3,39.1

## Text inside footprints (layer, text, board x,y; h text height)
U4: Bottom Overlay "*" at 90.365,40.915 h1.2 r90
U7: Bottom Overlay "*" at 22.99,99.27 h1.2 r90